# Altium PCB FOC_DRIVER.PcbDoc (part 1 of 4) (continued)
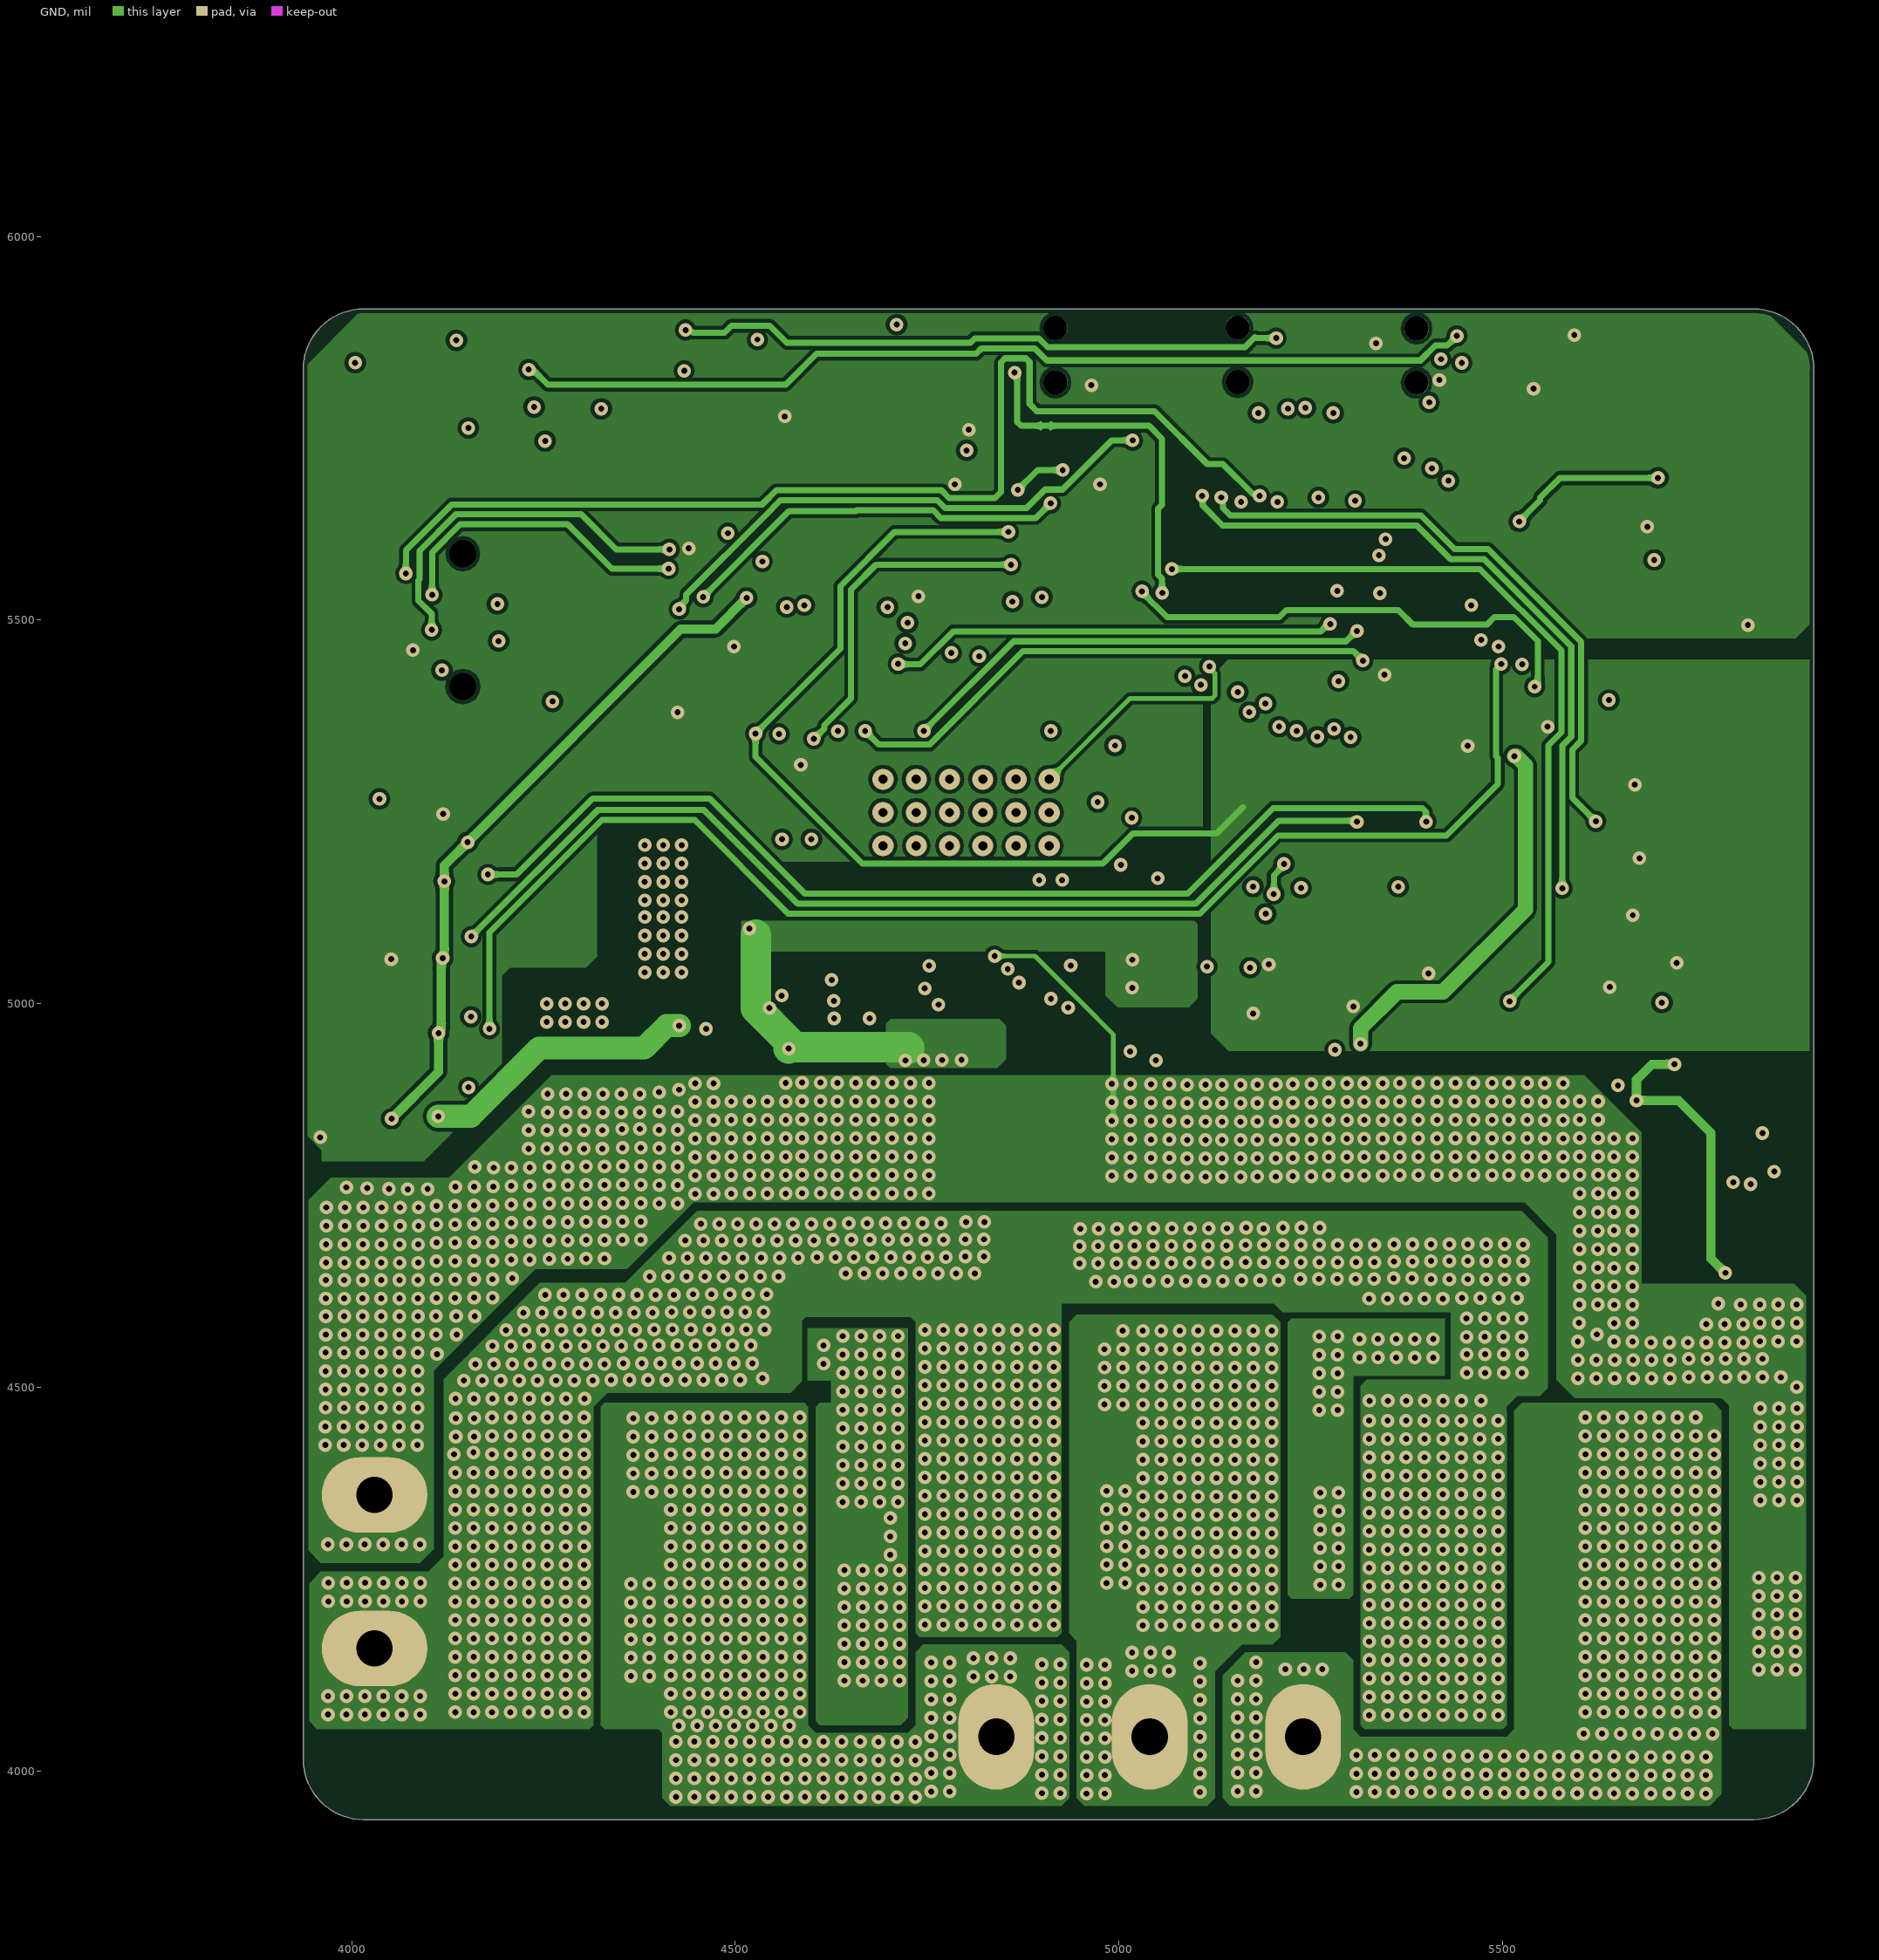
[diagram p3: GND]

## Layer stack, top to bottom
Top Solder: solder mask 0.4, Solder Resist, Dk 3.5
Top Layer: signal copper 1.4
Dielectric 2: prepreg 2.8, PP-006, Dk 4.1
POWER: signal copper 1.378
Dielectric 1: dielectric 12.6, FR-4, Dk 4.8
GND: signal copper 1.378
Dielectric 3: prepreg 2.8, PP-006, Dk 4.1
Bottom Layer: signal copper 1.4
Bottom Solder: solder mask 0.4, Solder Resist, Dk 3.5

## Board outline
3937.01,4015.75 3937.01,5826.77 cw(c4015.75,5826.77) 4015.75,5905.51 5826.77,5905.51 cw(c5826.77,5826.77) 5905.51,5826.77 5905.51,4015.75 cw(c5826.77,4015.75) 5826.77,3937.01 4015.75,3937.01 cw(c4015.75,4015.75)

## Design rules (kind name [scope] priority, off if disabled: settings)
AssemblyTestpoint AssemblyTestpoint_1 [All] p2: testpointundercomponent=TRUE minsize=40 maxsize=100 preferedsize=60 minholesize=0 maxholesize=40 preferedholesize=32 testpointgrid=1 usegrid=TRUE gridtolerance=0.01 allowsidetop=TRUE allowsidebottom=TRUE
Clearance Poly [InPolygon] p1: gap=5 ignorepadtopadclearanceinfootprint=FALSE
Clearance [All] p2: gap=5 ignorepadtopadclearanceinfootprint=FALSE
PlaneConnect [All] p1: planeconnectstyle=Direct reliefexpansion=20 reliefentries=4 reliefconductorwidth=10 reliefairgap=10
PolygonConnect POWER1 [All] p1: connectstyle=Direct reliefconductorwidth=10 reliefentries=4 polygonreliefangle="90 Angle" airgapwidth=10
PolygonConnect Via [IsVia] p2: connectstyle=Direct reliefconductorwidth=10 reliefentries=4 polygonreliefangle="90 Angle" airgapwidth=10
PolygonConnect [All] p3: connectstyle=Relief reliefconductorwidth=10 reliefentries=4 polygonreliefangle="90 Angle" airgapwidth=10
RoutingVias [All] p1: holewidth=7.87 width=17.72 viastyle="Through Hole" minholewidth=7.87 minwidth=17.72 maxholewidth=10 maxwidth=24
SolderMaskExpansion [All] p1: expansion=2.5 istentingtop=FALSE
Width POWER [InNetClass('POWER')] p1: maxlimit=60 minlimit=6 preferedwidth=15 minimp=50.000000 maximp=50.000000 favimp=50.000000
Width [All] p2: maxlimit=60 minlimit=6 preferedwidth=15 midlayer1_prefwidth=10 midlayer2_prefwidth=10 minimp=50.000000 maximp=50.000000 favimp=50.000000
29 further rules are at their usual default settings.

## Components (designator, comment, footprint, x,y, rotation, side; value= is the part's Value field where it differs from the comment)
2 "0.5R" "R 2512_L" 4662.7,4661.3 r270 bottom
C1 "0.1uF" "C 0402_L" 4596.5,5380.2 r0 bottom
C2 "1uF" "C 0402_L" 5553.6,5460.4 r270 bottom
C3 "0.1uF" "C 0402_L" 4535.05,5380.14 r180 bottom
C4 "0.1uF" "C 0402_L" 5514.6,5358.2 r180 top
C5 "1uF" "C 0402_L" 5553.6,5524.5 r90 bottom
C6 "33pF" "C 0402_L" 4761.8,5774.6 r0 bottom
C7 "4.7uF" "C 0402_L" 5721.42,5405.2 r0 bottom
C8 "0.1uF" "C 0402_L" 5721,5369 r0 bottom
C9 "33pF" "C 0402_L" 4761.7,5809.1 r0 bottom
C10 "10PF" "C 0402_L" 4745,5721.6 r270 bottom
C11 "4.7uF" "C 0402_L" 5563.2,5839.3 r90 bottom
C12 "0.1uF" "C 0402_L" 5524.9,5839.9 r90 bottom
C13 "2.2uF" "C 0402_L" 5541.5,5778.4 r180 bottom
C14 "10PF" "C 0402_L" 4780.8,5722.2 r270 bottom
C15 "4.7uF" "C 0402_L" 5235.7,4992.4 r270 bottom
C16 "4.7uF" "C 0402_L" 5493.6,5560.4 r180 bottom
C17 "2.2uF" "C 0402_L" 5412.5,5302.8 r90 bottom
C18 "2.2uF" "C 0402_L" 5458,5755.3 r180 bottom
C20 "4.7uF" "C 0402_L" 4580.7,5663.6 r90 top
C21 "4.7uF" "C 0402_L" 4612.1,5664.6 r90 top
C22 "1nF" "C 0402_L" 5204.2,5094.4 r270 top
C23 "0.1uF" "C 0402_L" 5194.1,5281.8 r0 top
C24 "0.1uF" "C 0402_L" 5395.01,5008.68 r0 top
C25 "1nF" "C 0402_L" 5539.6,5004.7 r90 bottom
C26 "0.1uF" "C 0402_L" 5656.9,5367.7 r180 bottom
C27 "0.1uF" "C 0402_L" 5387.8,5755.5 r180 bottom
C28 "0.1uF" "C 0402_L" 4934.1,5736.4 r0 bottom
C29 "0.1uF" "C 0402_L" 5504.6,5359.3 r180 bottom
C30 "0.1uF" "C 0402_L" 5051.7,5209.2 r90 bottom
C31 "2.2uF" "C 0402_L" 4323.4,5391.4 r0 top
C32 "0.1uF" "C 0402_L" 4323.3,5424.3 r0 top
C35 "0.1uF" "C 0402_L" 4898.7,5591.2 r0 bottom
C36 "4.7uF" "C 0402_L" 5283.3,4990.1 r90 top
C39 "1nF" "C 0402_L" 5328.2,5420.3 r0 top
C40 "0.1uF" "C 0402_L" 5443.4,5358 r0 top
C41 "0.1uF" "C 0402_L" 4761.3,5874.6 r0 bottom
C42 "1nF" "C 0402_L" 5563.4,5381.8 r270 bottom
C45 "0.1uF" "C 0402_L" 4091.7,5630.8 r270 top
C46 "82pF" "C 0402_L" 5126.76,5351.97 r0 top
C47 "270pF" "C 0402_L" 5193.7,5317 r0 top
C48 "4.7uF" "C 0402_L" 4465.4,5088.9 r270 top
C49 "4.7uF" "C 0402_L" 4496,5088.36 r270 top
C50 "4.7uF" "C 0402_L" 4542.9,4916.31 r270 bottom
C51 "0.1uF" "C 0402_L" 4973.7,5157.3 r180 bottom
C52 "0.1uF" "C 0402_L" 4894.5,5052.1 r180 top
C53 "0.1uF" "C 0402_L" 4813.02,5023.39 r270 top
C54 "22nF" "C 0402_L" 4800.8,5355.6 r180 bottom
C55 "0.1uF" "C 0402_L" 4693.5,5045 r180 top
C56 "2.2uF" "C 0402_L" 4633.1,5311.3 r90 bottom
C57 "22nF" "C 0402_L" 4577.1,5031.3 r180 top
C58 "22nF" "C 0402_L" 4543.5,5304.5 r0 bottom
C59 "4.7uF" "C 0402_L" 4502.9,4915.5 r90 bottom
C60 "0.1uF" "C 0402_L" 4507.8,5003.3 r0 bottom
C61 "22nF" "C 0402_L" 4876.8,5527.6 r90 bottom
C62 "22nF" "C 0402_L" 4917.8,5542.1 r90 bottom
C63 "22nF" "C 0402_L" 4516.4,5031.2 r180 top
C64 "100uF" "C 1210_L" 5246.94,4738.7 r270 top
C65 "100uF" "C 1210_L" 4912.58,4738.7 r270 top
C66 "100uF" "C 1210_L" 4465.5,4718 r270 top
C67 "100uF" "C 1210_L" 5135.49,4738.7 r270 top
C68 "100uF" "C 1210_L" 5024.03,4738.7 r270 top
C69 "100uF" "C 1210_L" 4801.12,4738.7 r270 top
C70 "100uF" "C 1210_L" 4689.66,4738.7 r270 top
C71 "100uF" "C 1210_L" 4578.21,4738.7 r270 top
C72 "100uF" "C 1210_L" 4320.9,4641 r270 top
C73 "100uF" "C 1210_L" 4165.2,4572.8 r316 top
C74 "100uF" "C 1210_L" 5358.4,4738.7 r270 top
C75 "100uF" "C 1210_L" 5469.86,4738.7 r270 top
C76 "100uF" "C 1210_L" 5570,4570 r180 top
D1 "1N4148" SOD-323 5503.4,5459.8 r270 bottom
D6 "SS34" DO214_SMA 4346.2,4969.7 r180 top
E1 "68uF/16V" "CD C(6032)" 4339.5,5307.8 r0 top
IC1 "LM358" SOP8_N 5564.4,5188.8 r90 top
IC2 "24Cxx" SOP8_L 5356.5,5097.5 r270 bottom
IC3 "LM358" SOP8_N 5351.2,5188.4 r90 top
IC4 "LM358" SOP8_N 5564.4,5188.8 r90 bottom
JP1 "HDR-1X4" "MX 1.25-WS-4P" 5832.6,5222.2 r90 top
JP2 "HDR-1X6" "MX 1.25-WS-6P" 5828.74,4722.44 r90 top
JP3 "HDR-1X4" "MX 1.25-WS-4P" 5839.57,4747.05 r270 bottom locked
JP4 "HDR-1X4" "MX 1.25-WS-4P" 5839.57,5195.87 r270 bottom locked
JP5 "HDR-1X5" HDR2.54-WS-5P 4055,5010 r270 bottom
JP6 "HDR-1X5" HDR2.54-WS-5P 4056.9,5010.4 r90 top
JP9 "HDR-1X3" KF128-5.08-3P 5040,4045 r0 top
JP10 "HDR-1X5" HDR2.54-WS-5P 4285,5820 r0 top
JP11 "HDR-1X5" HDR2.54-WS-5P 4285,5820 r180 bottom
JP12 "HDR-1X2" KF128-5.08-2P 4030,4260 r270 top locked
L1 "22uH" CD42 4336.8,5137.1 r180 top
LED1 "Green" LED-0603-GREEN 4004.8,5835.7 r270 top
NT1 "0.25mm" NetTie_0.25mm 4622.6,4932.5 r0 top net-tie
NT2 "0.25mm" NetTie_0.25mm 4552.2,4951.8 r90 top net-tie
NT3 "0.25mm" NetTie_0.25mm 5281.4,4940.1 r270 top net-tie
NT4 "0.25mm" NetTie_0.25mm 4560.81,4922.9 r0 top net-tie
Q1 "" SO8FL 5455,4155 r270 bottom
Q2 "FILL_FOOTPRINT" SO8FL 5455,4380 r270 bottom
Q3 "" SO8FL 4876.62,4270.28 r270 bottom
Q4 "FILL_FOOTPRINT" SO8FL 4878.35,4495.28 r270 bottom
Q5 "" SO8FL 4262.72,4155 r270 bottom
Q6 "FILL_FOOTPRINT" SO8FL 4262.72,4380 r270 bottom
Q7 "" SO8FL 5735,4155 r270 bottom
Q8 "" SO8FL 5735,4380 r270 bottom
Q9 "" SO8FL 5162.09,4270.55 r270 bottom
Q10 "" SO8FL 5162.09,4495.55 r270 bottom
Q11 "" SO8FL 4547.32,4155 r270 bottom
Q12 "" SO8FL 4547.32,4380 r270 bottom
R1 "0R" "R 0402_L" 4087.7,5411 r270 top
R2 "4.7K" "R 0402_L" 5687.1,4970.7 r0 bottom
R3 "4.7K" "R 0402_L" 5686.8,4931.1 r0 bottom
R4 "22R" "R 0402_L" 4145.4,5473.9 r180 top
R5 "22R" "R 0402_L" 4145.7,5524.1 r180 top
R6 "4.7K" "R 0402_L" 5560.1,5662.6 r90 bottom
R7 "4.7K" "R 0402_L" 5524.5,5681.2 r90 bottom
R8 "4.7K" "R 0402_L" 5546.1,5599 r180 bottom
R9 "560K" "R 0402_L" 5540.1,5742.3 r0 bottom
R10 "0R" "R 0402_L" 4155.4,5134.2 r270 bottom
R11 "4.7K" "R 0402_L" 5145,5099.7 r270 bottom
R12 "0R" "R 0402_L" 4155.9,4934.5 r270 bottom
R13 "4.7K" "R 0402_L" 5145.9,5026.8 r90 bottom
R14 "47K" "R 0402_L" 5118.2,5206.9 r90 bottom
R15 "10K" "R 0402_L" 5346.4,4986.8 r90 top
R17 "1K" "R 0402_L" 3975.9,5735.6 r270 top
R18 "3.3K" "R 0402_L" 4155.9,4929.5 r90 top
R19 "3.3K" "R 0402_L" 4155.4,5025.8 r90 top
R20 "3.3K" "R 0402_L" 4155.4,5129.2 r90 top
R21 "50R 1%" "R 0402_L" 5237.5,5091.9 r90 top
R22 "50R 1%" "R 0402_L" 5590.1,5005.7 r270 bottom
R23 "1K" "R 0402_L" 5396.81,4972.18 r180 top
R24 "10K" "R 0402_L" 5378.1,5390 r180 top
R26 "50R 1%" "R 0402_L" 5332.2,5372.1 r90 top
R27 "50R 1%" "R 0402_L" 5599.5,5381.6 r90 bottom
R28 "3.3K" "R 0402_L" 5443.3,5390.8 r180 top
R30 "0R" "R 0603_L" 4184.3,4835.9 r135 top
R31 "0R" "R 0603_L" 4466.6,5412.4 r90 top
R32 "0R" "R 0603_L" 5045.39,4963.5 r0 top
R33 "10K" "R 0402_L" 4759.6,5841.9 r0 bottom
R35 "47K" "R 0402_L" 5124.8,5317.93 r0 top
R36 "4.7K" "R 0402_L" 4835.05,5701.4 r0 bottom
R37 "4.7K" "R 0402_L" 4867.95,5736.5 r0 bottom
R40 "220K" "R 0402_L" 5126.76,5386 r180 top
R41 "18K" "R 0402_L" 5126.76,5283.88 r180 top
R42 "3.3K" "R 0402_L" 5124.8,5249.85 r0 top
R43 "2.2R" "R 0402_L" 4956.5,4984.3 r270 bottom
R44 "2.2R" "R 0402_L" 4813,4998.2 r0 bottom
R45 "2.2R" "R 0402_L" 4673.79,4943.7 r0 bottom
R46 "18K" "R 0402_L" 5126.76,5215.8 r180 top
R47 "18K" "R 0402_L" 5126,5179 r0 top
R48 "120R" "R 0402_L" 4585.1,4979.9 r270 top
R49 "22R" "R 0402_L" 4595.4,5475.7 r270 top
R50 "2.2R" "R 0402_L" 4997.7,4980.3 r270 bottom
R51 "2.2R" "R 0402_L" 4813.02,5036.11 r0 bottom
R52 "2.2R" "R 0402_L" 4675.12,5004 r0 bottom
R53 "22R" "R 0402_L" 4558.31,5475.7 r270 top
R54 "120R" "R 0402_L" 4520.9,4977.8 r270 top
R55 "0.5R" "R 2512_L" 5359.25,4668.51 r270 bottom
S1 "S1" SW-SMD_TS-1066B-B3D2 4917.1,5845.2 r0 bottom
S2 "S1" SW-SMD_TS-1066B-B3D2 5154.5,5845.7 r0 bottom
S3 "S1" SW-SMD_TS-1066B-B3D2 5387.7,5844.7 r0 bottom
U1 "" STM-LQFP64_N 5190.5,5506.3 r0 bottom
U2 "CH340T" CH340T 4508.1,5554.2 r0 bottom
U3 "3.3V" SOT223 4385.7,5584.8 r0 top
U4 "3.3V" SOT23-5 5180.3,4984.9 r0 top
U5 "" TSSOP50P810X120_HS-57N 4800.8,5249.3 r270 top
U10 "RGB LED" "LED 3528-4Pin" 4010.2,5560.7 r270 top
U11 "OLED 0.91" OLED-SMD_QG-2832XXX 6352.9,5659.06 r0 top
USB1 "USB-5P" USB-MINI-A 4145,5500 r90 bottom
XT1 "8 MHz" "OSC 3225-4P" 4631.9,5810.2 r0 bottom value=12MHz
XT2 "8 MHz" "OSC 3225-4P" 4763.2,5600.9 r180 bottom value=8MHz

## Footprints (in the part's own frame and the unit in brackets; to place one, negate y for a bottom-side part, rotate by r counter-clockwise, add the part's x,y. Pads: shape width x height; smd on the part's side, far side on the other; paste and mask are expansions set on the pad)
"C 0402_L" [mm] "无极性贴片电容"
  rect 0.4x0.5 smd: 1(-0.45,0) 2(0.45,0)
  silkscreen extent -0.85,-0.45 0.85,0.45, body extent -0.5,-0.26 0.5,0.26, height 0.53
"C 1210_L" [mil] "无极性贴片电容"
  rect 60x100 smd: 1(-57.09,0) 2(57.09,0)
  silkscreen extent -100,-63 100,63, body extent -63,-51 63,51, height 60
CD42 [mm] "4.5*4*2mm（长宽高）"
  rect 1.75x4.5 smd: 1(-1.625,0) 2(1.625,0)
  silkscreen extent -2.79,-2.54 2.79,2.54, body extent -2.21,-2 2.21,2, height 2.1
"CD C(6032)" [mm] "长6.0mm，宽3.2mm，厚2.5mm"
  rect 2.2x2.2 smd: 1(-3,0) 2(3,0)
  silkscreen extent -4.7,-1.78 4.44,1.78, body extent -3,-1.6 3,1.6, height 2.5
CH340T [mm]
  rect 1.65x0.35 smd: 1(-3.65,2.925)
  oval 1.65x0.35 smd: 2(-3.65,2.275) 3(-3.65,1.625) 4(-3.65,0.975) 5(-3.65,0.325) 6(-3.65,-0.325) 7(-3.65,-0.975) 8(-3.65,-1.625) 9(-3.65,-2.275) 10(-3.65,-2.925) 11(3.65,-2.925) 12(3.65,-2.275) 13(3.65,-1.625) 14(3.65,-0.975) 15(3.65,-0.325) 16(3.65,0.325) 17(3.65,0.975) 18(3.65,1.625) 19(3.65,2.275) 20(3.65,2.925)
  silkscreen extent -2.06,-3.56 2.06,3.56, body extent -3.85,-3.6 3.85,3.6, height 1.65
DO214_SMA [mm]
  rect 2x1.6 smd: 1(-2.2,0) 2(2.2,0)
  silkscreen extent -2.2,-1.35 2.2,1.35, body extent -2.69,-1.4 2.8,1.39, height 2.32
HDR2.54-WS-5P [mm] "5P卧式贴片排针2.54"
  rect 1.02x3.5 smd: 1(-5.08,0)
  oval 1.02x3.5 smd: 2(-2.54,0) 3(0,0) 4(2.54,0) 5(5.08,0)
  silkscreen extent -6.35,2.03 6.35,10.29, body extent -6.35,-0.76 6.35,10.34, height 2.54
KF128-5.08-2P [mm] "螺钉式接线端子，脚距5.08mm"
  oval 2.5x3.5 hole 1.2: 1(-2.54,0) 2(2.54,0)
  silkscreen extent -5.59,-5.31 5.08,5.21, body extent -5.58,-5.3 5.08,5.2, height 14.15
KF128-5.08-3P [mm]
  oval 2.5x3.5 hole 1.2: 1(-5.08,0) 2(0,0) 3(5.08,0)
  silkscreen extent -8.13,-5.31 7.62,5.21, body extent -8.12,-5.3 7.62,5.2, height 14.15
"LED 3528-4Pin" [mm] "4脚，3528LED"
  rect 1.5x0.8 smd: 1(-1.689,0.725) 2(-1.689,-0.725) 3(1.689,-0.725) 4(1.689,0.725)
  silkscreen extent -2.37,-1.42 1.69,1.68, body extent -1.75,-1.4 1.75,1.4, height 1.95
LED-0603-GREEN [mm]
  round 0.254 on Mech15: 0(0,0)
  rrect25% 0.8x0.8 smd: A(-0.85,0) K(0.85,0)
  Top Layer pour cut-out: -0.5,0.5 0.5,0.5 0.5,-0.5 -0.5,-0.5
  silkscreen extent -1.55,-0.67 1.68,0.67, body extent -0.8,-0.4 0.8,0.4, height 0.75
"MX 1.25-WS-4P" [mm] "长：10.15mm，宽：4.2mm，高：3.4mm"
  rect 2x3 smd: 0(-4.632,0) 0(4.632,0)
  rect 0.8x1.6 smd: 1(-1.889,2.811) 2(-0.639,2.811) 3(0.611,2.811) 4(1.861,2.811)
  silkscreen extent -5.23,-2.23 5.45,3.25, body extent -5.07,-2.1 5.07,3.09, height 3.4
"MX 1.25-WS-6P" [mm] "长：12.65mm，宽：4.2mm，高：3.4mm"
  rect 2x3 smd: 0(-5.882,0) 0(5.882,0)
  rect 0.8x1.6 smd: 1(-3.139,2.811) 2(-1.889,2.811) 3(-0.639,2.811) 4(0.611,2.811) 5(1.861,2.811) 6(3.111,2.811)
  silkscreen extent -6.48,-2.23 6.45,3.25, body extent -6.32,-2.1 6.32,3.09, height 3.4
NetTie_0.25mm [mm]
  round 0.25 smd paste-2 mask+0.102: 1(0,0) 2(0.5,0)
  Top Layer region: 0,0.125 0.5,0.125 0.5,-0.125 0,-0.125
OLED-SMD_QG-2832XXX [mm]
  rect 2x0.35 smd far side: 1(-18.414,-4.34) 2(-18.413,-3.688) 3(-18.419,-3.038) 4(-18.411,-2.388) 5(-18.414,-1.74) 6(-18.414,-1.09) 7(-18.414,-0.44) 8(-18.414,0.21) 9(-18.414,0.86) 10(-18.414,1.51) 11(-18.414,2.16) 12(-18.414,2.81) 13(-18.414,3.46) 14(-18.414,4.11) 15(-18.414,4.76)
  Bottom Layer region: -19.414,3.635 -17.414,3.635 -17.414,3.285 -19.414,3.285
  Bottom Layer region: -19.414,1.685 -17.414,1.685 -17.414,1.335 -19.414,1.335
  Bottom Layer region: -19.414,-0.265 -17.414,-0.265 -17.414,-0.615 -19.414,-0.615
  Bottom Layer region: -19.414,4.935 -17.414,4.935 -17.414,4.585 -19.414,4.585
  Bottom Layer region: -19.414,4.285 -17.414,4.285 -17.414,3.935 -19.414,3.935
  Bottom Layer region: -19.414,2.985 -17.414,2.985 -17.414,2.635 -19.414,2.635
  Bottom Layer region: -19.414,2.335 -17.414,2.335 -17.414,1.985 -19.414,1.985
  Bottom Layer region: -19.414,1.035 -17.414,1.035 -17.414,0.685 -19.414,0.685
  Bottom Layer region: -19.414,0.385 -17.414,0.385 -17.414,0.035 -19.414,0.035
  Bottom Layer region: -19.414,-0.915 -17.414,-0.915 -17.414,-1.265 -19.414,-1.265
  Bottom Layer region: -19.414,-1.565 -17.414,-1.565 -17.414,-1.915 -19.414,-1.915
  Bottom Layer region: -19.411,-2.213 -17.411,-2.213 -17.411,-2.563 -19.411,-2.563
  Bottom Layer region: -19.419,-2.863 -17.419,-2.863 -17.419,-3.213 -19.419,-3.213
  Bottom Layer region: -19.413,-3.513 -17.413,-3.513 -17.413,-3.863 -19.413,-3.863
  Bottom Layer region: -19.414,-4.165 -17.414,-4.165 -17.414,-4.515 -19.414,-4.515
  silkscreen extent -40.92,-5.4 -10.9,6.12
"OSC 3225-4P" [mm] "3.2*2.5*0.7mm(长宽高)"
  rect 1.3x1.2 smd: 1(-1.05,-0.85) 2(1.05,-0.85) 3(1.05,0.85) 4(-1.05,0.85)
  silkscreen extent -2.03,-1.75 1.91,1.65, body extent -1.6,-1.25 1.6,1.25, height 0.7
"R 0402_L" [mm] "1/16W贴片电阻"
  rect 0.4x0.5 smd: 1(-0.4,0) 2(0.45,0)
  silkscreen extent -0.8,-0.45 0.85,0.45, body extent -0.5,-0.25 0.5,0.25, height 0.3
"R 0603_L" [mil] "1/10W贴片电阻"
  rect 30x30 smd: 1(-25.59,0) 2(25.59,0)
  silkscreen extent -51,-26 51,26, body extent -31,-16 32,16, height 16
"R 2512_L" [mm] "1W贴片电阻"
  rect 1.65x3.2 smd: 1(-2.95,0) 2(3,0)
  silkscreen extent -4.1,-2 4.2,2, body extent -3.2,-1.6 3.2,1.6, height 0.55
SO8FL [mm]
  rect 0.9x0.6 on Bottom Paste: 7(0,-0.55) 7(0,0.3) 7(0,1.15) 7(0,2) 9(-1.15,-0.55) 9(-1.15,0.3) 9(-1.15,1.15) 9(-1.15,2) 10(1.15,-0.55) 10(1.15,0.3) 10(1.15,1.15) 10(1.15,2)
  rect 0.6x0.9 on Bottom Paste: 11(-1.875,3) 11(-0.65,3) 11(0.65,3) 11(1.875,3)
  rect 4.2x2.2 smd paste-10 mask+0.075: D(0,0) D(0,1.35)
  rect 4.7x1.5 smd paste-10 mask+0.075: D(0,2.75)
  rect 0.7x1.15 smd paste-0.05 mask+0.075: G(1.905,-2.725) S(-1.905,-2.725) S(-0.635,-2.725) S(0.635,-2.725)
  body extent -2.57,-2.95 2.58,3.2, height 1.13
SOD-323 [mm] "1.8x1.3X0.9mm（长宽高，不包括引脚）"
  rect 1x0.8 smd: 1(-1.4,0)
  oct 1x0.8 smd: 2(1.4,0)
  silkscreen extent -2.11,-0.76 2.11,0.76, body extent -1.34,-0.63 1.31,0.67, height 1
SOP8_L [mm] "5*6*1.8mm（长宽高）"
  rect 1.5x0.5 smd: 1(-2.5,1.905)
  oval 1.5x0.5 smd: 2(-2.5,0.635) 3(-2.5,-0.635) 4(-2.5,-1.905) 5(2.5,-1.905) 6(2.5,-0.635) 7(2.5,0.635) 8(2.5,1.905)
  silkscreen extent -2.69,-2.5 1.52,3.2, body extent -3,-2.5 3,2.5, height 1.9
SOP8_N [mm] "5*6*1.8mm（长宽高）"
  rect 1.8x0.55 smd: 1(-2.625,1.905)
  oval 1.8x0.55 smd: 2(-2.625,0.635) 3(-2.625,-0.635) 4(-2.625,-1.905) 5(2.625,-1.905) 6(2.625,-0.635) 7(2.625,0.635) 8(2.625,1.905)
  silkscreen extent -2.69,-2.5 1.52,3.2, body extent -3,-2.5 3,2.5, height 1.9
SOT23-5 [mm]
  round 0.5 on Mech15: 0(0,0)
  rrect25% 1x0.6 smd: 1(-1.3,0.95) 2(-1.3,0) 3(-1.3,-0.95) 4(1.3,-0.95) 5(1.3,0.95)
  silkscreen extent -0.51,-1.35 0.51,1.35, body extent -1.4,-1.45 1.4,1.45, height 1.44
SOT223 [mm]
  round 1 on Mech15: 0(0,0)
  rrect25% 1.75x1.1 smd: 1(-3.3,2.3) 2(-3.3,0) 3(-3.3,-2.3)
  rrect25% 1.75x3.5 smd: 4(3.3,0)
  silkscreen extent -1.85,-3.35 1.85,3.35, body extent -3.65,-3.35 3.65,3.35, height 1.8
STM-LQFP64_N [mm] "Thin QFP, 64-Leads, Body 10x10mm, Pitch 0.5mm, IPC Medium Density"
  oval 1.8x0.3 smd: 1(-5.55,3.75) 2(-5.55,3.25) 3(-5.55,2.75) 4(-5.55,2.25) 5(-5.55,1.75) 6(-5.55,1.25) 7(-5.55,0.75) 8(-5.55,0.25) 9(-5.55,-0.25) 10(-5.55,-0.75) 11(-5.55,-1.25) 12(-5.55,-1.75) 13(-5.55,-2.25) 14(-5.55,-2.75) 15(-5.55,-3.25) 16(-5.55,-3.75) 33(5.55,-3.75) 34(5.55,-3.25) 35(5.55,-2.75) 36(5.55,-2.25) 37(5.55,-1.75) 38(5.55,-1.25) 39(5.55,-0.75) 40(5.55,-0.25) 41(5.55,0.25) 42(5.55,0.75) 43(5.55,1.25) 44(5.55,1.75) 45(5.55,2.25) 46(5.55,2.75) 47(5.55,3.25) 48(5.55,3.75)
  oval 0.3x1.8 smd: 17(-3.75,-5.55) 18(-3.25,-5.55) 19(-2.75,-5.55) 20(-2.25,-5.55) 21(-1.75,-5.55) 22(-1.25,-5.55) 23(-0.75,-5.55) 24(-0.25,-5.55) 25(0.25,-5.55) 26(0.75,-5.55) 27(1.25,-5.55) 28(1.75,-5.55) 29(2.25,-5.55) 30(2.75,-5.55) 31(3.25,-5.55) 32(3.75,-5.55) 49(3.75,5.55) 50(3.25,5.55) 51(2.75,5.55) 52(2.25,5.55) 53(1.75,5.55) 54(1.25,5.55) 55(0.75,5.55) 56(0.25,5.55) 57(-0.25,5.55) 58(-0.75,5.55) 59(-1.25,5.55) 60(-1.75,5.55) 61(-2.25,5.55) 62(-2.75,5.55) 63(-3.25,5.55) 64(-3.75,5.55)
  silkscreen extent -5.67,-4.25 4.25,4.57, body extent -5,-5 5,5, height 1.6
SW-SMD_TS-1066B-B3D2 [mm]
  rect 0.9x2 smd: 1(-2.3,0) 2(2.3,0)
  round 0.8 hole 0.8 unplated: ""(0,-0.9) ""(0,0.9)
  silkscreen extent -2,-2.25 2,1.45
TSSOP50P810X120_HS-57N [mm]
  oval 1.4x0.3 smd: 1(-3.8,6.75) 2(-3.8,6.25) 3(-3.8,5.75) 4(-3.8,5.25) 5(-3.8,4.75) 6(-3.8,4.25) 7(-3.8,3.75) 8(-3.8,3.25) 9(-3.8,2.75) 10(-3.8,2.25) 11(-3.8,1.75) 12(-3.8,1.25) 13(-3.8,0.75) 14(-3.8,0.25) 15(-3.8,-0.25) 16(-3.8,-0.75) 17(-3.8,-1.25) 18(-3.8,-1.75) 19(-3.8,-2.25) 20(-3.8,-2.75) 21(-3.8,-3.25) 22(-3.8,-3.75) 23(-3.8,-4.25) 24(-3.8,-4.75) 25(-3.8,-5.25) 26(-3.8,-5.75) 27(-3.8,-6.25) 28(-3.8,-6.75) 29(3.8,-6.75) 30(3.8,-6.25) 31(3.8,-5.75) 32(3.8,-5.25) 33(3.8,-4.75) 34(3.8,-4.25) 35(3.8,-3.75) 36(3.8,-3.25) 37(3.8,-2.75) 38(3.8,-2.25) 39(3.8,-1.75) 40(3.8,-1.25) 41(3.8,-0.75) 42(3.8,-0.25) 43(3.8,0.25) 44(3.8,0.75) 45(3.8,1.25) 46(3.8,1.75) 47(3.8,2.25) 48(3.8,2.75) 49(3.8,3.25) 50(3.8,3.75) 51(3.8,4.25) 52(3.8,4.75) 53(3.8,5.25) 54(3.8,5.75) 55(3.8,6.25) 56(3.8,6.75)